# KiCad board arena_10_of_10_v1r1.kicad_pcb
title: G6 10-10 Teensy Arena; date: 2026-04-27; rev: v1.1.6; company: IORodeo for Reiser Lab @ Janelia | HHMI
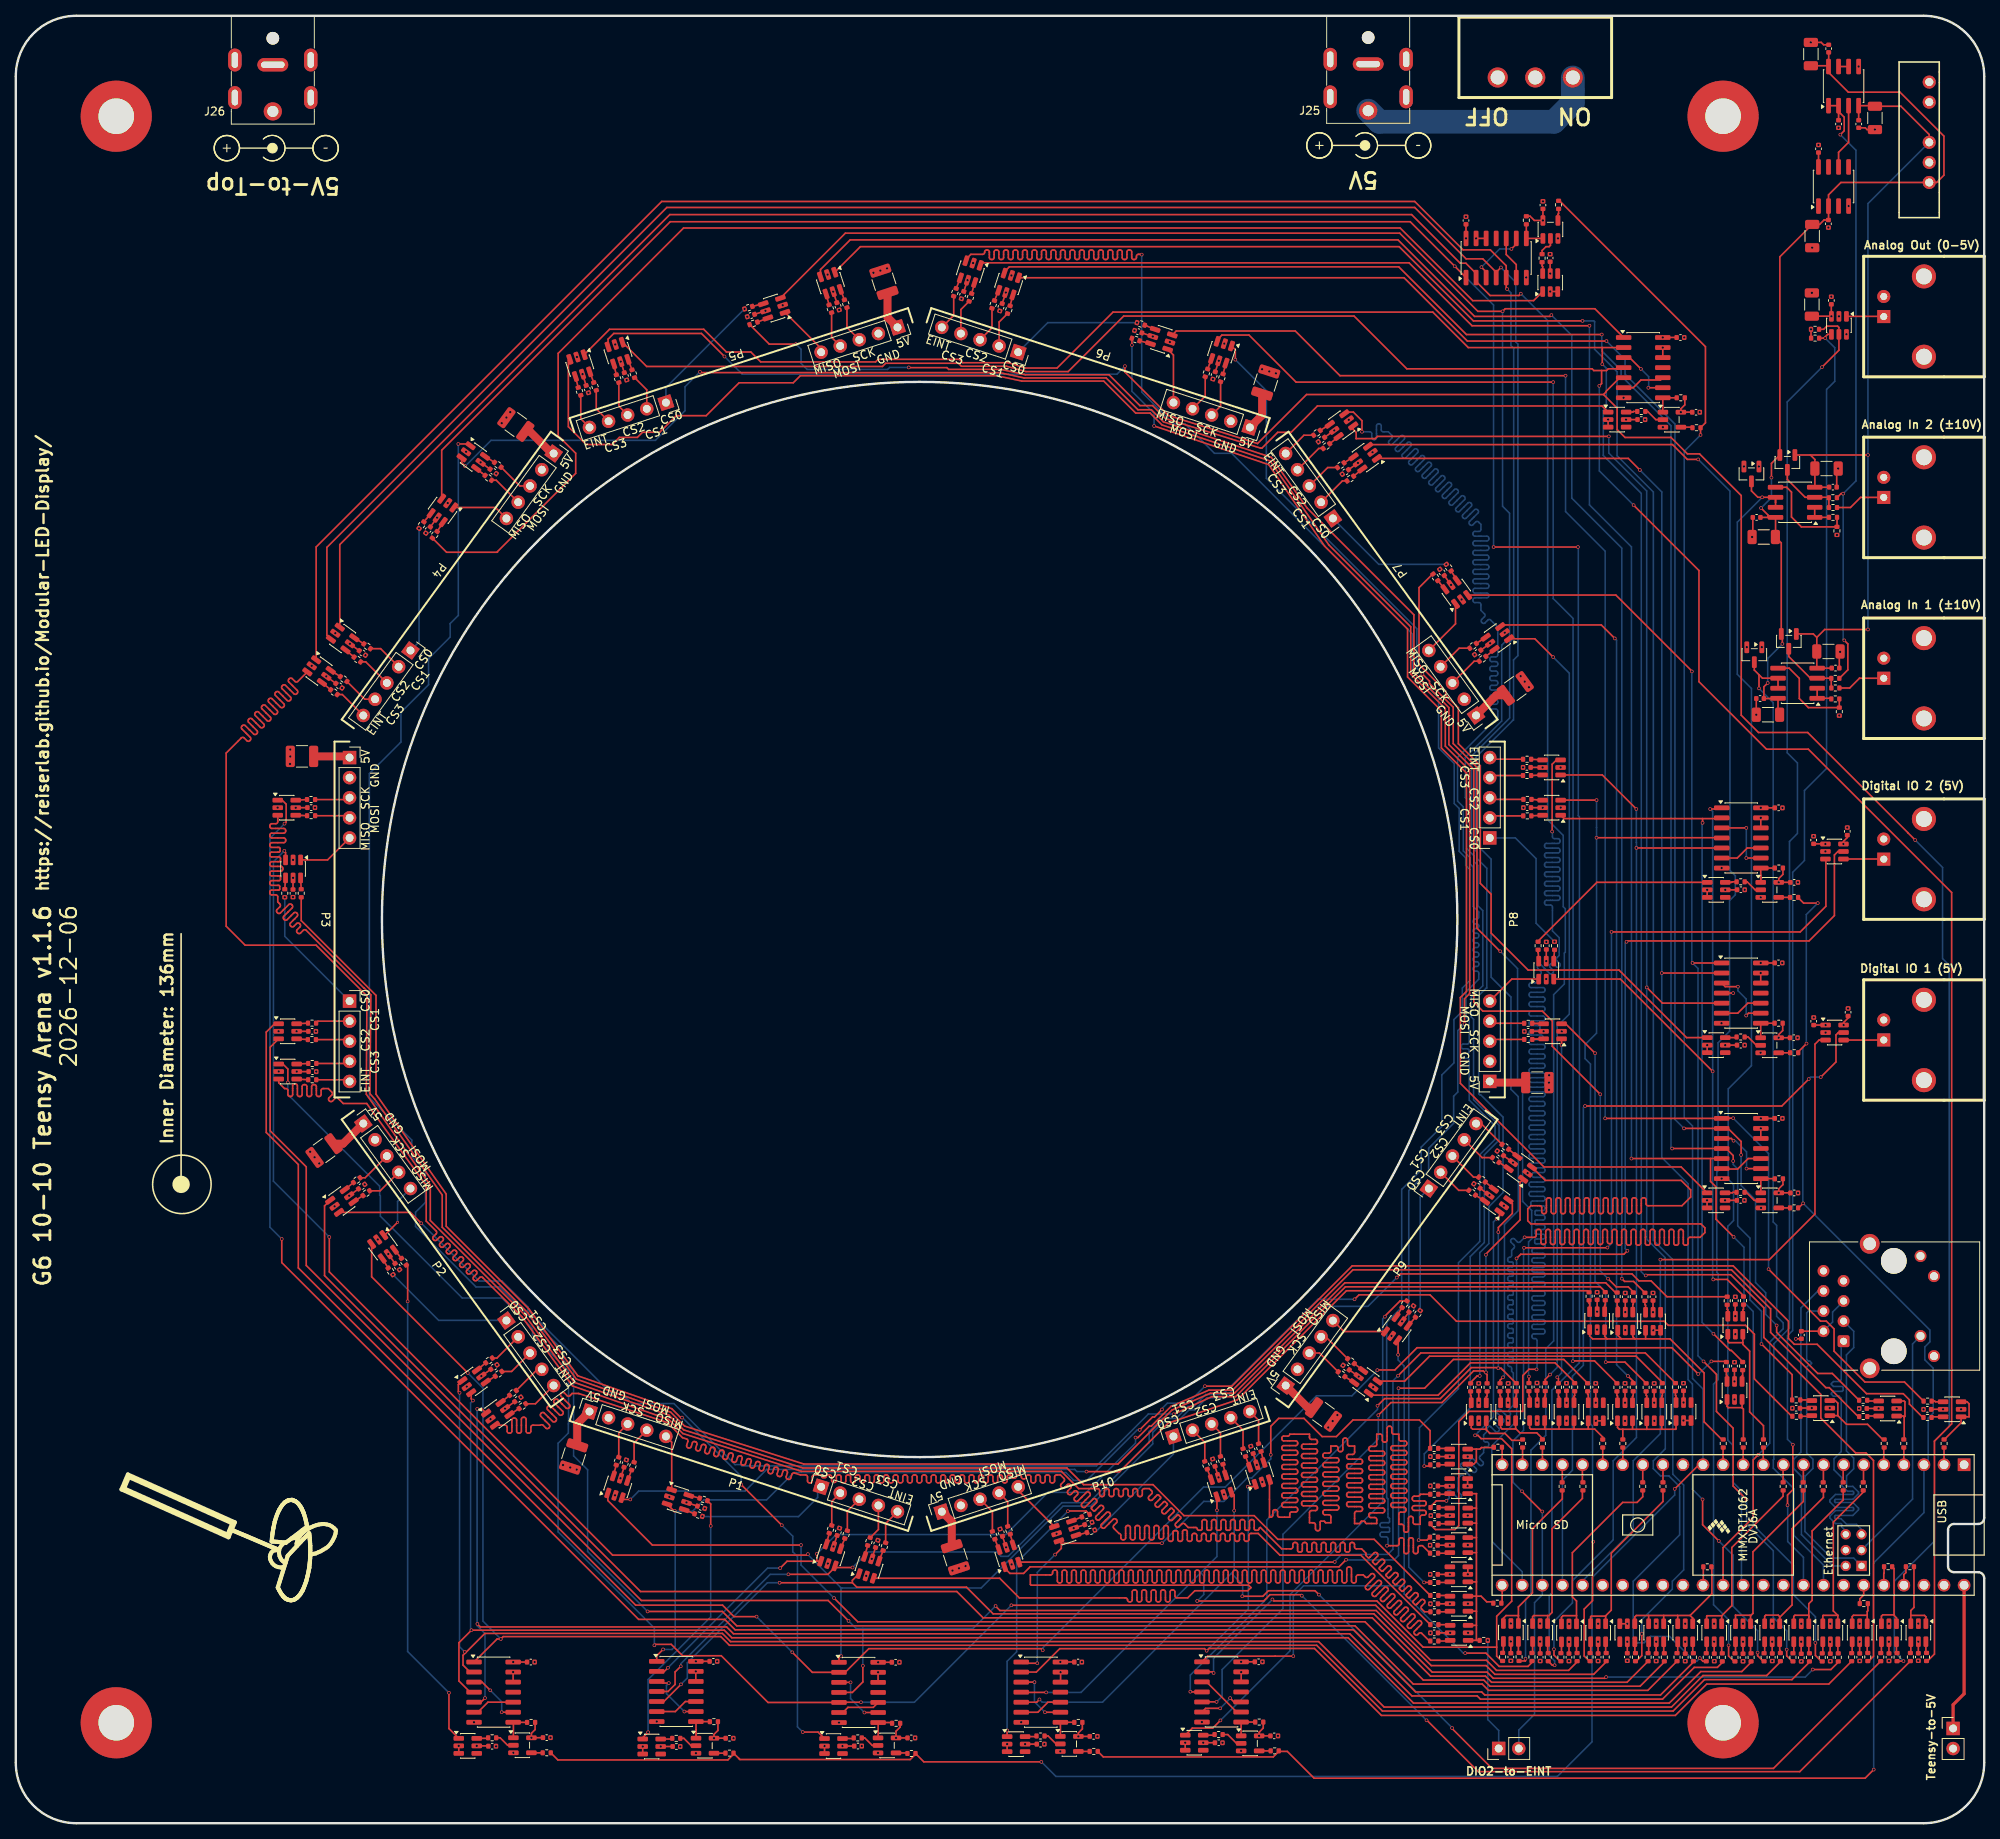
[diagram p0: board, top side]
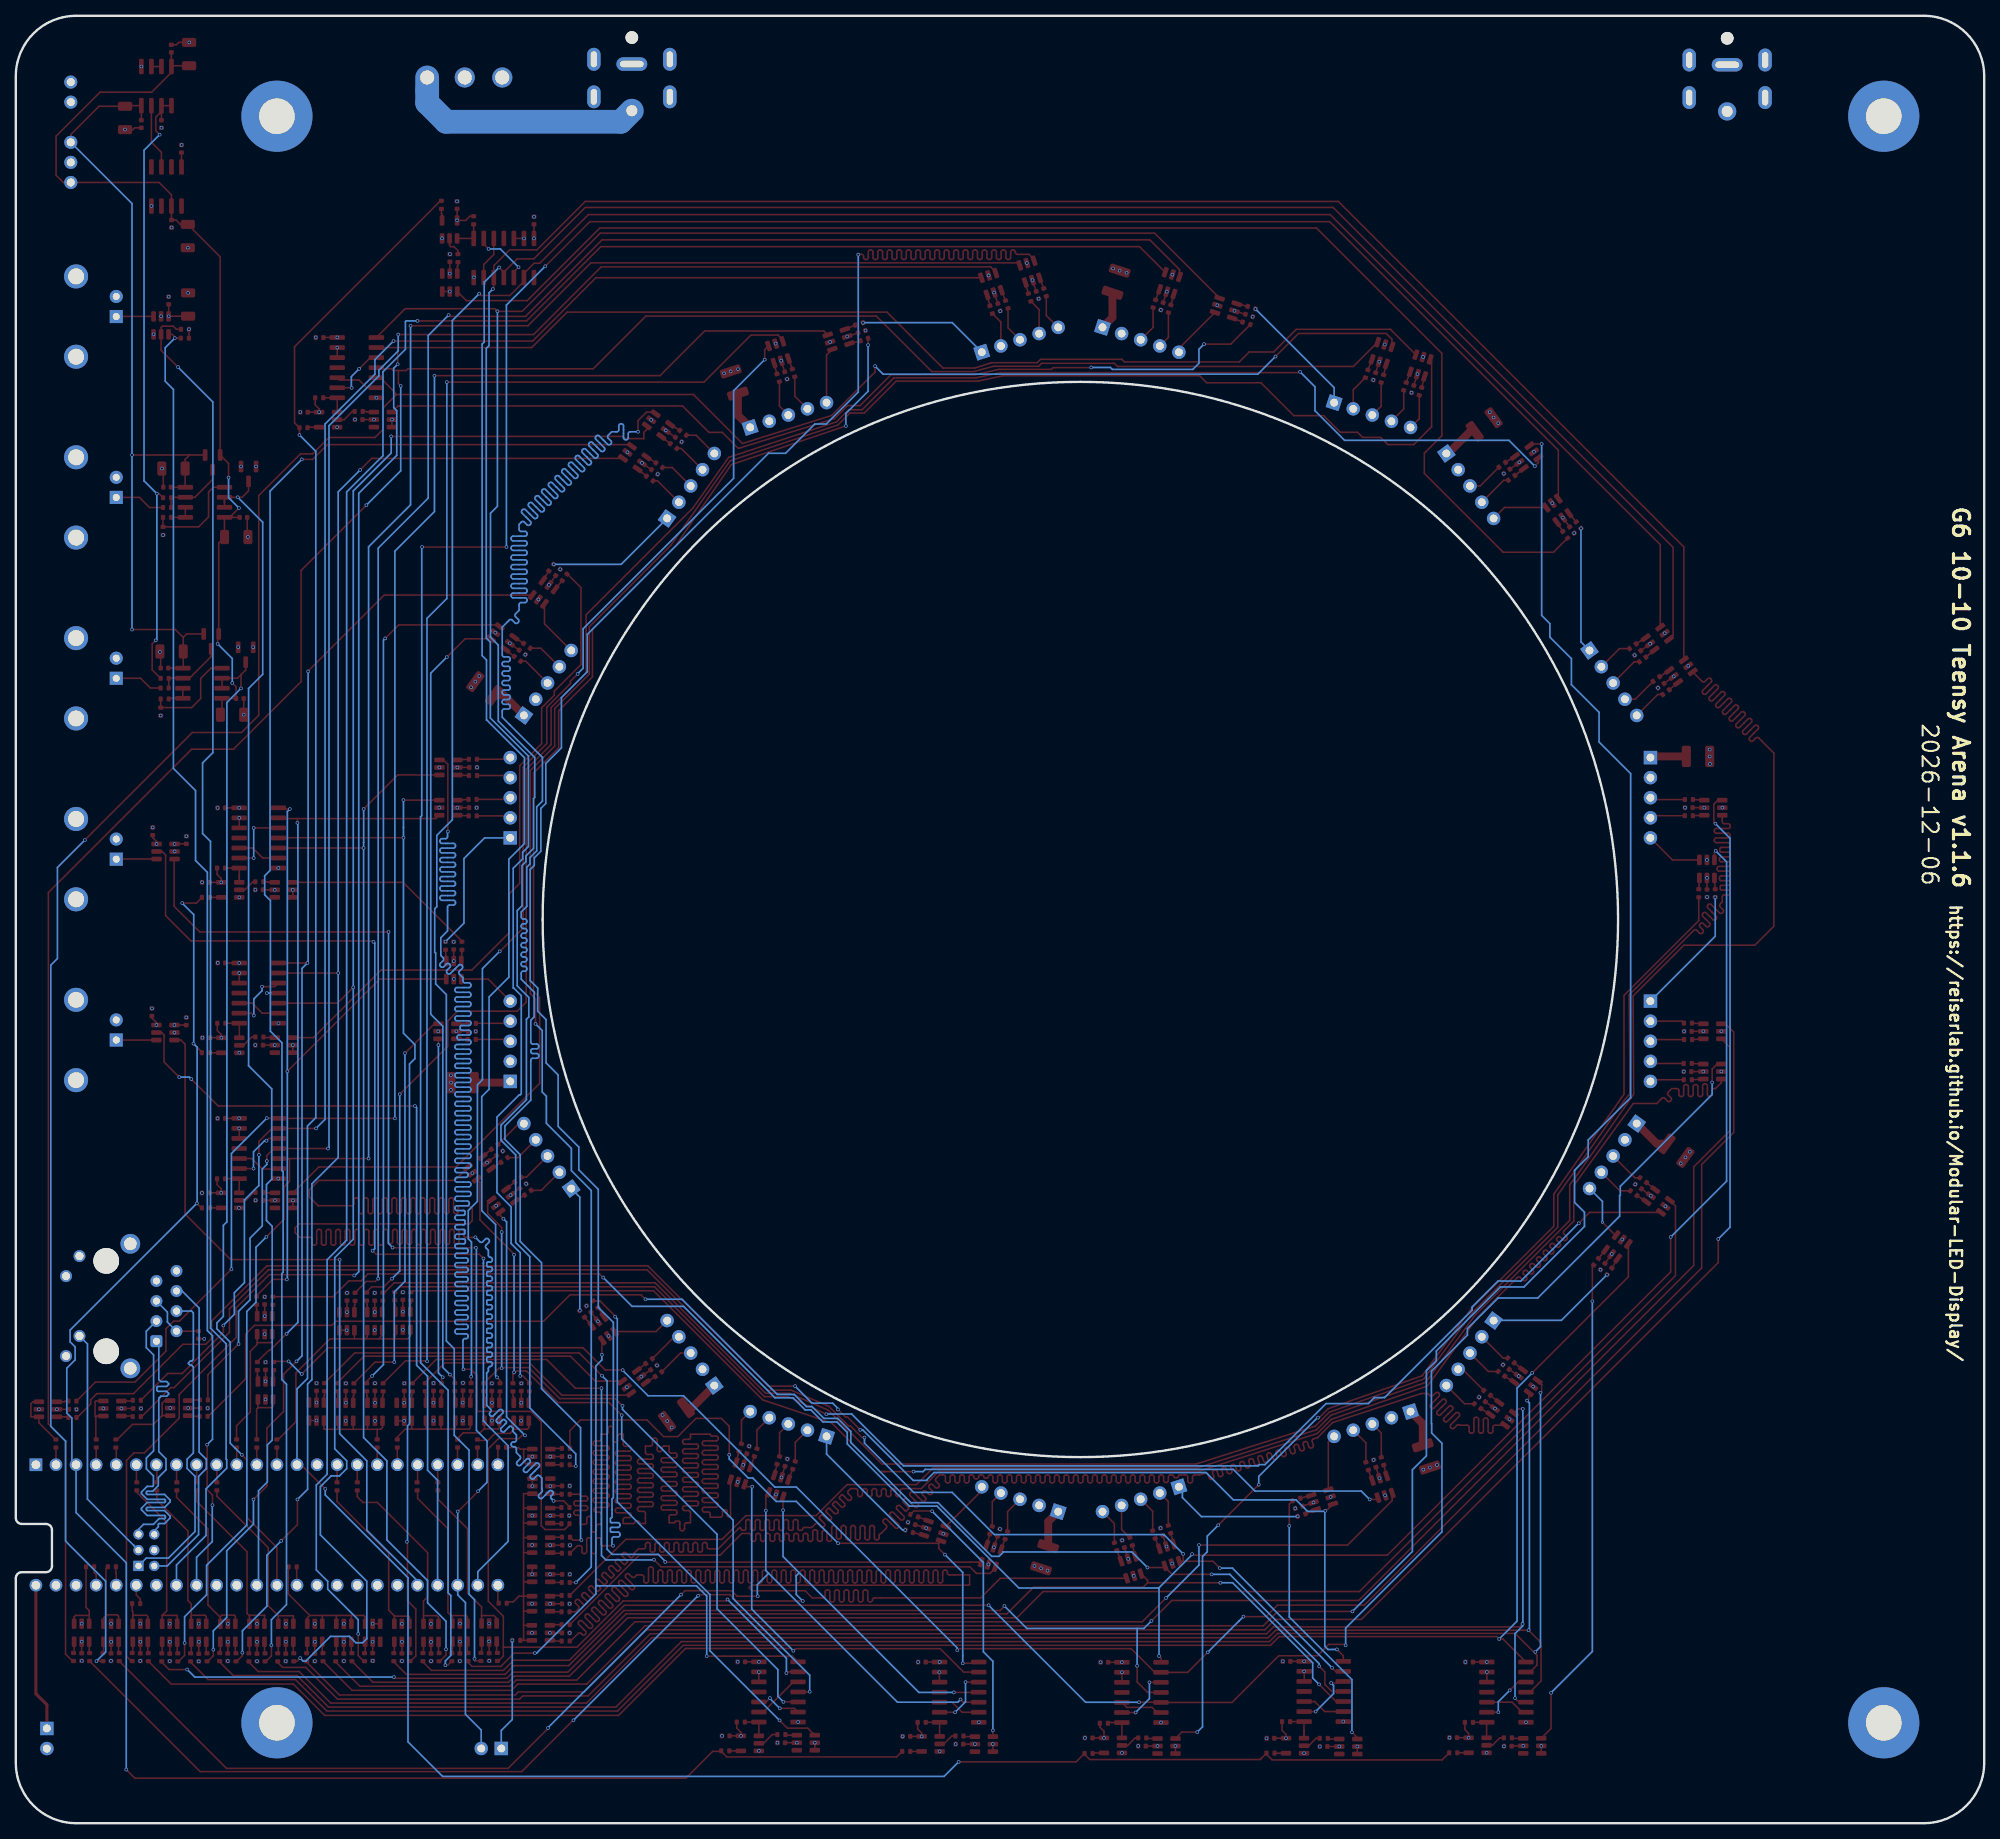
[diagram p1: board, bottom side, seen from below]

Outline 248.92 x 228.6 mm; copper layers: Top, In1.Cu (plane), In2.Cu (plane), In3.Cu (plane), In4.Cu (plane), Bottom. Coordinates in mm from the lower left corner of the outline.
Outline path: circle c114.3,114.3 r68 ; 0,220.98 0,7.62 arc(2.23,2.23) 7.62,0 241.3,0 arc(246.69,2.23) 248.92,7.62 248.92,30.99 arc(248.7,31.53) 248.16,31.75 245.11,31.75 arc(244.57,31.97) 244.35,32.51 244.35,37.08 arc(244.57,37.62) 245.11,37.85 248.16,37.85 arc(248.7,38.07) 248.92,38.61 248.92,220.98 arc(246.69,226.37) 241.3,228.6 7.62,228.6 arc(2.23,226.37) 0,220.98
Stack: Top 0.035mm / dielectric 0.1mm FR4 er 4.5 / In1.Cu 0.035mm / dielectric 0.535mm FR4 er 4.5 / In2.Cu 0.035mm / dielectric 0.1mm FR4 er 4.5 / In3.Cu 0.035mm / dielectric 0.535mm FR4 er 4.5 / In4.Cu 0.035mm / dielectric 0.1mm FR4 er 4.5 / Bottom 0.035mm

## Placement (name value [footprint] x y rotation side)
C1  0.1uF  [C_0402_1005Metric]  225.8 61.75 270 top
C2  0.1uF  [C_0402_1005Metric]  231.71 102.57 90 top
C3  0.1uF  [C_0402_1005Metric]  231.61 125.45 90 top
C4  0.1uF  [C_0402_1005Metric]  207.44 20.99 270 top
C5  0.1uF  [C_0402_1005Metric]  211.12 20.97 270 top
C6  0.1uF  [C_0402_1005Metric]  203.79 21.02 270 top
C7  0.1uF  [C_0402_1005Metric]  199.97 66.68 90 top
C8  0.1uF  [C_0402_1005Metric]  203.53 66.59 90 top
C9  0.1uF  [C_0402_1005Metric]  207.04 66.59 90 top
C10  0.1uF  [C_0402_1005Metric]  192.37 55.19 90 top
C11  0.1uF  [C_0402_1005Metric]  196.1 55.17 90 top
C12  0.1uF  [C_0402_1005Metric]  199.79 55.16 90 top
C13  0.1uF  [C_0402_1005Metric]  203.5 55.16 90 top
C14  0.1uF  [C_0402_1005Metric]  207.19 55.15 90 top
C15  0.1uF  [C_0402_1005Metric]  210.89 55.17 90 top
C16  0.1uF  [C_0402_1005Metric]  241.73 52.34 180 top
C17  0.1uF  [C_0402_1005Metric]  233.6 52.45 180 top
C18  0.1uF  [C_0402_1005Metric]  225.14 52.49 180 top
C19  0.1uF  [C_0402_1005Metric]  229.46 20.97 270 top
C20  0.1uF  [C_0402_1005Metric]  225.79 20.95 270 top
C21  0.1uF  [C_0402_1005Metric]  222.12 20.99 270 top
C22  0.1uF  [C_0402_1005Metric]  218.43 20.96 270 top
C23  0.1uF  [C_0402_1005Metric]  214.79 20.97 270 top
C24  0.1uF  [C_0402_1005Metric]  217.45 66.1 90 top
C25  0.1uF  [C_0402_1005Metric]  217.35 57.83 90 top
C26  0.1uF  [C_0402_1005Metric]  200.1 20.99 270 top
C27  0.1uF  [C_0402_1005Metric]  196.41 20.98 270 top
C28  0.1uF  [C_0402_1005Metric]  192.77 20.99 270 top
C29  0.1uF  [C_0402_1005Metric]  189.06 21.02 270 top
C30  0.1uF  [C_0402_1005Metric]  188.73 55.15 90 top
C31  0.1uF  [C_0402_1005Metric]  185 55.15 90 top
C32  0.1uF  [C_0402_1005Metric]  179.37 46.37 180 top
C33  0.1uF  [C_0402_1005Metric]  240.6 21.02 270 top
C34  0.1uF  [C_0402_1005Metric]  236.88 21 270 top
C35  0.1uF  [C_0402_1005Metric]  233.18 21 270 top
C36  0.1uF  [C_0402_1005Metric]  179.33 35.16 180 top
C37  0.1uF  [C_0402_1005Metric]  179.41 38.91 180 top
C38  0.1uF  [C_0402_1005Metric]  179.36 42.66 180 top
C39  0.1uF  [C_0402_1005Metric]  179.37 24.07 180 top
C40  0.1uF  [C_0402_1005Metric]  179.37 27.75 180 top
C41  0.1uF  [C_0402_1005Metric]  179.35 31.47 180 top
C42  100uF  [C_1210_3225Metric]  70.54 46.39 72 top
C43  0.1uF  [C_0402_1005Metric]  77.06 45.49 72 top
C44  0.1uF  [C_0402_1005Metric]  86.66 39.95 342 top
C45  0.1uF  [C_0402_1005Metric]  104.02 36.86 72 top
C46  0.1uF  [C_0402_1005Metric]  108.87 35.33 72 top
C47  100uF  [C_1210_3225Metric]  38.98 85.08 36 top
C48  0.1uF  [C_0402_1005Metric]  43.73 80.52 36 top
C49  0.1uF  [C_0402_1005Metric]  48.24 70.4 306 top
C50  0.1uF  [C_0402_1005Metric]  60.46 57.69 36 top
C51  0.1uF  [C_0402_1005Metric]  63.49 53.6 36 top
C52  100uF  [C_1210_3225Metric]  36.19 134.93 0 top
C53  0.1uF  [C_0402_1005Metric]  37.35 128.45 0 top
C54  0.1uF  [C_0402_1005Metric]  35.05 117.61 270 top
C55  0.1uF  [C_0402_1005Metric]  37.47 100.15 0 top
C56  0.1uF  [C_0402_1005Metric]  37.51 95.06 0 top
C57  100uF  [C_1210_3225Metric]  63.23 176.9 324 top
C58  0.1uF  [C_0402_1005Metric]  60.37 170.98 324 top
C59  0.1uF  [C_0402_1005Metric]  52.13 163.56 234 top
C60  0.1uF  [C_0402_1005Metric]  43.83 148.01 324 top
C61  0.1uF  [C_0402_1005Metric]  40.87 143.87 324 top
C62  100uF  [C_1210_3225Metric]  109.78 194.96 288 top
C63  0.1uF  [C_0402_1005Metric]  103.98 191.85 288 top
C64  0.1uF  [C_0402_1005Metric]  92.96 190.69 198 top
C65  0.1uF  [C_0402_1005Metric]  77.1 182.99 288 top
C66  0.1uF  [C_0402_1005Metric]  72.27 181.38 288 top
C67  100uF  [C_1210_3225Metric]  158.06 182.21 252 top
C68  0.1uF  [C_0402_1005Metric]  151.54 183.11 252 top
C69  0.1uF  [C_0402_1005Metric]  141.94 188.65 162 top
C70  0.1uF  [C_0402_1005Metric]  124.58 191.74 252 top
C71  0.1uF  [C_0402_1005Metric]  119.73 193.27 252 top
C72  100uF  [C_1210_3225Metric]  189.62 143.52 216 top
C73  0.1uF  [C_0402_1005Metric]  184.87 148.08 216 top
C74  0.1uF  [C_0402_1005Metric]  180.36 158.2 126 top
C75  0.1uF  [C_0402_1005Metric]  168.14 170.91 216 top
C76  0.1uF  [C_0402_1005Metric]  165.11 175 216 top
C77  100uF  [C_1210_3225Metric]  192.41 93.67 180 top
C78  0.1uF  [C_0402_1005Metric]  191.25 100.15 180 top
C79  0.1uF  [C_0402_1005Metric]  193.55 110.99 90 top
C80  0.1uF  [C_0402_1005Metric]  191.13 128.45 180 top
C81  0.1uF  [C_0402_1005Metric]  191.09 133.54 180 top
C82  100uF  [C_1210_3225Metric]  165.37 51.7 144 top
C83  0.1uF  [C_0402_1005Metric]  168.23 57.62 144 top
C84  0.1uF  [C_0402_1005Metric]  176.47 65.04 54 top
C85  0.1uF  [C_0402_1005Metric]  184.77 80.59 144 top
C86  0.1uF  [C_0402_1005Metric]  187.73 84.73 144 top
C87  100uF  [C_1210_3225Metric]  118.82 33.64 108 top
C88  0.1uF  [C_0402_1005Metric]  124.62 36.75 108 top
C89  0.1uF  [C_0402_1005Metric]  135.64 37.91 18 top
C90  0.1uF  [C_0402_1005Metric]  151.5 45.61 108 top
C91  0.1uF  [C_0402_1005Metric]  156.33 47.22 108 top
C92  10uF  [C_1206_3216Metric]  227.17 200.74 270 top
C93  100nF  [C_0402_1005Metric]  229.22 202.3 270 top
C94  100nF  [C_0402_1005Metric]  220.14 165.16 180 top
C95  100nF  [C_0402_1005Metric]  229.79 168.99 0 top
C96  10uF  [C_1206_3216Metric]  221.05 162.68 180 top
C97  10uF  [C_1206_3216Metric]  228.99 171.34 0 top
C98  0.1uF  [C_0402_1005Metric]  229.59 192.59 90 top
C99  100nF  [C_0402_1005Metric]  227.97 211.79 90 top
C100  10uF  [C_1206_3216Metric]  227.13 192.08 90 top
C101  100nF  [C_0402_1005Metric]  220.58 142.25 180 top
C102  100nF  [C_0402_1005Metric]  230.12 146.1 0 top
C103  10uF  [C_1206_3216Metric]  221.57 140.2 180 top
C104  10uF  [C_1206_3216Metric]  229.23 148.2 0 top
C105  100nF  [C_0402_1005Metric]  229.25 224.46 90 top
C106  100nF  [C_0402_1005Metric]  233.06 214.92 270 top
C107  100nF  [C_0402_1005Metric]  230.5 214.92 270 top
C108  10uF  [C_1206_3216Metric]  227 223.76 90 top
C109  10uF  [C_1206_3216Metric]  235.11 215.69 270 top
C110  0.1uF  [C_0402_1005Metric]  88.22 20.47 0 top
C111  0.1uF  [C_0402_1005Metric]  83.54 9.7 0 top
C112  0.1uF  [C_0402_1005Metric]  65.13 20.38 0 top
C113  0.1uF  [C_0402_1005Metric]  60.24 9.74 0 top
C114  0.1uF  [C_0402_1005Metric]  111.26 20.36 0 top
C115  0.1uF  [C_0402_1005Metric]  106.5 9.75 0 top
C116  0.1uF  [C_0402_1005Metric]  183.39 202.71 90 top
C117  0.1uF  [C_0402_1005Metric]  194.03 197.97 90 top
C118  0.1uF  [C_0402_1005Metric]  210.51 187.91 0 top
C119  0.1uF  [C_0402_1005Metric]  205.56 177.53 0 top
C120  0.1uF  [C_0402_1005Metric]  222.92 89.15 0 top
C121  0.1uF  [C_0402_1005Metric]  218.12 78.78 0 top
C122  0.1uF  [C_0402_1005Metric]  222.91 108.81 0 top
C123  0.1uF  [C_0402_1005Metric]  218.14 98.41 0 top
C124  0.1uF  [C_0402_1005Metric]  222.93 128.42 0 top
C125  0.1uF  [C_0402_1005Metric]  218.15 118.06 0 top
C126  0.1uF  [C_0402_1005Metric]  157.17 20.41 0 top
C127  0.1uF  [C_0402_1005Metric]  152.12 10.17 0 top
C128  0.1uF  [C_0402_1005Metric]  134.34 20.38 0 top
C129  0.1uF  [C_0402_1005Metric]  129.59 10 0 top
C130  0.1uF  [C_0402_1005Metric]  90.25 10.74 0 top
C131  0.1uF  [C_0402_1005Metric]  67.14 10.82 0 top
C132  0.1uF  [C_0402_1005Metric]  113.24 10.79 0 top
C133  0.1uF  [C_0402_1005Metric]  193.12 204.66 90 top
C134  0.1uF  [C_0402_1005Metric]  212.48 178.46 0 top
C135  0.1uF  [C_0402_1005Metric]  224.9 79.72 0 top
C136  0.1uF  [C_0402_1005Metric]  224.84 99.34 0 top
C137  0.1uF  [C_0402_1005Metric]  224.89 119 0 top
C138  0.1uF  [C_0402_1005Metric]  159.14 11.04 0 top
C139  0.1uF  [C_0402_1005Metric]  136.29 10.98 0 top
C140  0.1uF  [C_0402_1005Metric]  227.36 101.43 90 top
C141  0.1uF  [C_0402_1005Metric]  227.36 124.35 90 top
D1  BAS40-04  [SOT-23]  219.49 170.66 270 top
D2  BAS40-04  [SOT-23]  219.85 147.79 270 top
D3  BAS40-04  [SOT-23]  224.03 172.11 270 top
D4  BAS40-04  [SOT-23]  224.21 149.48 270 top
H1  MountingHole_Pad  [MountingHole_4.5mm_Pad]  12.7 215.9 0 top  (not fitted)
H2  MountingHole_Pad  [MountingHole_4.5mm_Pad]  215.9 215.9 0 top  (not fitted)
H3  MountingHole_Pad  [MountingHole_4.5mm_Pad]  215.9 12.7 0 top  (not fitted)
H4  MountingHole_Pad  [MountingHole_4.5mm_Pad]  12.7 12.7 0 top  (not fitted)
J1  Cetus RJ45 Magjack  [RJ45_Cetus_J1B1211CCD_Horizontal]  231.14 60.96 90 top
J2  Conn_01x02  [PinHeader_1x02_P2.54mm_Vertical]  244.99 11.98 0 top
J3  Conn_Coaxial  [BNC]  241.3 99.06 270 top
J4  Conn_Coaxial  [BNC]  241.3 121.94 270 top
J5  Conn_01x05  [PinSocket_1x05_P2.54mm_Vertical]  72.54 52.06 72 top
J6  Conn_01x05  [PinSocket_1x05_P2.54mm_Vertical]  101.84 42.55 72 top
J7  Conn_01x05  [PinSocket_1x05_P2.54mm_Vertical]  43.94 88.49 36 top
J8  Conn_01x05  [PinSocket_1x05_P2.54mm_Vertical]  62.04 63.58 36 top
J9  Conn_01x05  [PinSocket_1x05_P2.54mm_Vertical]  42.21 134.78 0 top
J10  Conn_01x05  [PinSocket_1x05_P2.54mm_Vertical]  42.21 103.98 0 top
J11  Conn_01x05  [PinSocket_1x05_P2.54mm_Vertical]  68.01 173.24 324 top
J12  Conn_01x05  [PinSocket_1x05_P2.54mm_Vertical]  49.91 148.33 324 top
J13  Conn_01x05  [PinSocket_1x05_P2.54mm_Vertical]  111.5 189.19 288 top
J14  Conn_01x05  [PinSocket_1x05_P2.54mm_Vertical]  82.21 179.68 288 top
J15  Conn_01x05  [PinSocket_1x05_P2.54mm_Vertical]  156.06 176.54 252 top
J16  Conn_01x05  [PinSocket_1x05_P2.54mm_Vertical]  126.76 186.05 252 top
J17  Conn_01x05  [PinSocket_1x05_P2.54mm_Vertical]  184.66 140.11 216 top
J18  Conn_01x05  [PinSocket_1x05_P2.54mm_Vertical]  166.56 165.03 216 top
J19  Conn_01x05  [PinSocket_1x05_P2.54mm_Vertical]  186.39 93.82 180 top
J20  Conn_01x05  [PinSocket_1x05_P2.54mm_Vertical]  186.39 124.62 180 top
J21  Conn_01x05  [PinSocket_1x05_P2.54mm_Vertical]  160.59 55.36 144 top
J22  Conn_01x05  [PinSocket_1x05_P2.54mm_Vertical]  178.69 80.27 144 top
J23  Conn_01x05  [PinSocket_1x05_P2.54mm_Vertical]  117.1 39.41 108 top
J24  Conn_01x05  [PinSocket_1x05_P2.54mm_Vertical]  146.39 48.92 108 top
J25  Barrel_Jack  [DC-053D-20A]  171.02 216.6 0 top
J26  Barrel_Jack  [DC-053D-20A]  32.5 216.51 0 top
J27  Conn_Coaxial  [BNC]  241.3 190.56 270 top
J28  Conn_Coaxial  [BNC]  241.3 167.69 270 top
J29  Conn_Coaxial  [BNC]  241.3 144.81 270 top
J30  Conn_01x02  [PinHeader_1x02_P2.54mm_Vertical]  187.53 9.45 90 top
J100  -  [PinSocket_1x24_P2.54mm_Vertical]  187.95 45.33 90 top
J101  -  [PinSocket_1x24_P2.54mm_Vertical]  187.97 30.12 90 top
J102  -  [PinSocket_2x03_P2.00mm_Vertical]  231.43 32.53 180 top
P1  NA  [Panel_Silk]  92.02 45.73 342 top  (not fitted)
P2  NA  [Panel_Silk]  55.97 71.92 306 top  (not fitted)
P3  NA  [Panel_Silk]  42.2 114.3 270 top  (not fitted)
P4  NA  [Panel_Silk]  55.97 156.68 234 top  (not fitted)
P5  NA  [Panel_Silk]  92.02 182.87 198 top  (not fitted)
P6  NA  [Panel_Silk]  136.58 182.87 162 top  (not fitted)
P7  NA  [Panel_Silk]  172.63 156.68 126 top  (not fitted)
P8  NA  [Panel_Silk]  186.4 114.3 90 top  (not fitted)
P9  NA  [Panel_Silk]  172.63 71.92 54 top  (not fitted)
P10  NA  [Panel_Silk]  136.58 45.73 18 top  (not fitted)
R1  33  [R_0402_1005Metric]  243.85 48.03 270 top
R2  33  [R_0402_1005Metric]  238.75 48.03 270 top
R3  33  [R_0402_1005Metric]  236.27 48.03 270 top
R4  33  [R_0402_1005Metric]  233.62 42.6 90 top
R5  33  [R_0402_1005Metric]  231.09 42.6 90 top
R6  33  [R_0402_1005Metric]  228.56 42.6 90 top
R7  33  [R_0402_1005Metric]  226.03 42.6 90 top
R8  33  [R_0402_1005Metric]  223.5 42.6 90 top
R9  33  [R_0402_1005Metric]  221 48.03 270 top
R10  33  [R_0402_1005Metric]  218.45 48.03 270 top
R11  33  [R_0402_1005Metric]  215.92 48.03 270 top
R12  33  [R_0402_1005Metric]  208.3 42.6 90 top
R13  33  [R_0402_1005Metric]  205.74 42.6 90 top
R14  33  [R_0402_1005Metric]  203.22 48.03 270 top
R15  33  [R_0402_1005Metric]  200.68 48.03 270 top
R16  33  [R_0402_1005Metric]  198.18 42.6 90 top
R17  33  [R_0402_1005Metric]  195.55 42.6 90 top
R18  33  [R_0402_1005Metric]  193.05 48.03 270 top
R19  33  [R_0402_1005Metric]  190.55 48.03 270 top
R20  33  [R_0402_1005Metric]  187.43 47.55 0 top
R21  33  [R_0402_1005Metric]  239.53 32.44 180 top
R22  33  [R_0402_1005Metric]  236.77 32.44 180 top
R23  33  [R_0402_1005Metric]  233.7 27.78 180 top
R24  33  [R_0402_1005Metric]  213.91 32.43 180 top
R25  33  [R_0402_1005Metric]  187.35 27.83 0 top
R26  1k  [R_0402_1005Metric]  227.54 187.83 0 top
R27  1k  [R_0402_1005Metric]  227.53 188.95 0 top
R28  33  [R_0402_1005Metric]  208.47 20.99 270 top
R29  33  [R_0402_1005Metric]  206.42 21 270 top
R30  33  [R_0402_1005Metric]  212.14 20.99 270 top
R31  33  [R_0402_1005Metric]  210.07 21 270 top
R32  33  [R_0402_1005Metric]  204.82 21 270 top
R33  33  [R_0402_1005Metric]  198.95 66.65 90 top
R34  33  [R_0402_1005Metric]  201 66.66 90 top
R35  33  [R_0402_1005Metric]  202.51 66.61 90 top
R36  33  [R_0402_1005Metric]  204.55 66.61 90 top
R37  33  [R_0402_1005Metric]  206.02 66.58 90 top
R38  33  [R_0402_1005Metric]  191.35 55.16 90 top
R39  33  [R_0402_1005Metric]  193.41 55.17 90 top
R40  33  [R_0402_1005Metric]  195.07 55.14 90 top
R41  33  [R_0402_1005Metric]  197.13 55.15 90 top
R42  33  [R_0402_1005Metric]  198.77 55.14 90 top
R43  33  [R_0402_1005Metric]  202.48 55.13 90 top
R44  33  [R_0402_1005Metric]  204.54 55.14 90 top
R45  33  [R_0402_1005Metric]  206.17 55.13 90 top
R46  33  [R_0402_1005Metric]  208.22 55.14 90 top
R47  33  [R_0402_1005Metric]  209.88 55.15 90 top
R48  33  [R_0402_1005Metric]  241.75 51.32 180 top
R49  33  [R_0402_1005Metric]  241.77 53.38 180 top
R50  33  [R_0402_1005Metric]  233.62 51.43 180 top
R51  33  [R_0402_1005Metric]  233.62 53.49 180 top
R52  33  [R_0402_1005Metric]  225.17 51.47 180 top
R53  33  [R_0402_1005Metric]  225.14 53.54 180 top
R54  33  [R_0402_1005Metric]  230.47 20.98 270 top
R55  33  [R_0402_1005Metric]  228.44 20.98 270 top
R56  33  [R_0402_1005Metric]  226.82 20.98 270 top
R57  33  [R_0402_1005Metric]  224.74 20.99 270 top
R58  33  [R_0402_1005Metric]  223.14 21.01 270 top
R59  33  [R_0402_1005Metric]  221.08 20.99 270 top
R60  33  [R_0402_1005Metric]  219.44 20.98 270 top
R61  33  [R_0402_1005Metric]  217.4 20.98 270 top
R62  33  [R_0402_1005Metric]  215.8 20.98 270 top
R63  33  [R_0402_1005Metric]  213.77 20.99 270 top
R64  33  [R_0402_1005Metric]  216.42 66.08 90 top
R65  33  [R_0402_1005Metric]  218.48 66.1 90 top
R66  33  [R_0402_1005Metric]  216.31 57.82 90 top
R67  33  [R_0402_1005Metric]  218.38 57.82 90 top
R68  33  [R_0402_1005Metric]  201.12 21.01 270 top
R69  33  [R_0402_1005Metric]  199.08 21.01 270 top
R70  33  [R_0402_1005Metric]  197.44 21.01 270 top
R71  33  [R_0402_1005Metric]  195.39 21 270 top
R72  33  [R_0402_1005Metric]  193.79 21 270 top
R73  33  [R_0402_1005Metric]  191.73 21.02 270 top
R74  33  [R_0402_1005Metric]  190.1 21.03 270 top
R75  33  [R_0402_1005Metric]  188.02 21.03 270 top
R76  33  [R_0402_1005Metric]  187.69 55.13 90 top
R77  33  [R_0402_1005Metric]  189.75 55.14 90 top
R78  33  [R_0402_1005Metric]  183.97 55.13 90 top
R79  33  [R_0402_1005Metric]  186.06 55.13 90 top
R80  33  [R_0402_1005Metric]  179.38 45.33 180 top
R81  33  [R_0402_1005Metric]  179.36 47.4 180 top
R82  33  [R_0402_1005Metric]  241.62 21.03 270 top
R83  33  [R_0402_1005Metric]  239.58 21.02 270 top
R84  33  [R_0402_1005Metric]  237.9 21.01 270 top
R85  33  [R_0402_1005Metric]  235.84 21.01 270 top
R86  33  [R_0402_1005Metric]  234.2 21.02 270 top
R87  33  [R_0402_1005Metric]  232.16 21 270 top
R88  33  [R_0402_1005Metric]  179.35 34.15 180 top
R89  33  [R_0402_1005Metric]  179.34 36.18 180 top
R90  33  [R_0402_1005Metric]  179.41 37.88 180 top
R91  33  [R_0402_1005Metric]  179.41 39.93 180 top
R92  33  [R_0402_1005Metric]  179.38 41.61 180 top
R93  33  [R_0402_1005Metric]  179.38 23.04 180 top
R94  33  [R_0402_1005Metric]  179.39 25.11 180 top
R95  33  [R_0402_1005Metric]  179.4 26.74 180 top
R96  33  [R_0402_1005Metric]  179.39 28.8 180 top
R97  33  [R_0402_1005Metric]  179.38 30.45 180 top
R98  33  [R_0402_1005Metric]  86.98 40.95 342 top
R99  33  [R_0402_1005Metric]  76.09 45.79 72 top
R100  33  [R_0402_1005Metric]  78.03 45.17 72 top
R101  33  [R_0402_1005Metric]  86.33 38.97 342 top
R102  33  [R_0402_1005Metric]  103.02 37.17 72 top
R103  33  [R_0402_1005Metric]  105 36.51 72 top
R104  33  [R_0402_1005Metric]  107.88 35.62 72 top
R105  33  [R_0402_1005Metric]  109.84 34.98 72 top
R106  33  [R_0402_1005Metric]  49.08 71.02 306 top
R107  33  [R_0402_1005Metric]  43.12 81.34 36 top
R108  33  [R_0402_1005Metric]  44.32 79.69 36 top
R109  33  [R_0402_1005Metric]  47.39 69.79 306 top
R110  33  [R_0402_1005Metric]  59.84 58.53 36 top
R111  33  [R_0402_1005Metric]  61.05 56.84 36 top
R112  33  [R_0402_1005Metric]  62.87 54.42 36 top
R113  33  [R_0402_1005Metric]  64.07 52.75 36 top
R114  33  [R_0402_1005Metric]  36.09 117.62 270 top
R115  33  [R_0402_1005Metric]  37.34 129.47 0 top
R116  33  [R_0402_1005Metric]  37.34 127.43 0 top
R117  33  [R_0402_1005Metric]  34.01 117.62 270 top
R118  33  [R_0402_1005Metric]  37.46 101.19 0 top
R119  33  [R_0402_1005Metric]  37.44 99.11 0 top
R120  33  [R_0402_1005Metric]  37.49 96.09 0 top
R121  33  [R_0402_1005Metric]  37.48 94.03 0 top
R122  33  [R_0402_1005Metric]  52.98 162.96 234 top
R123  33  [R_0402_1005Metric]  60.95 171.81 324 top
R124  33  [R_0402_1005Metric]  59.76 170.16 324 top
R125  33  [R_0402_1005Metric]  51.3 164.18 234 top
R126  33  [R_0402_1005Metric]  44.43 148.86 324 top